# Altium PCB DI543.PcbDoc (part 8 of 8) (continued)
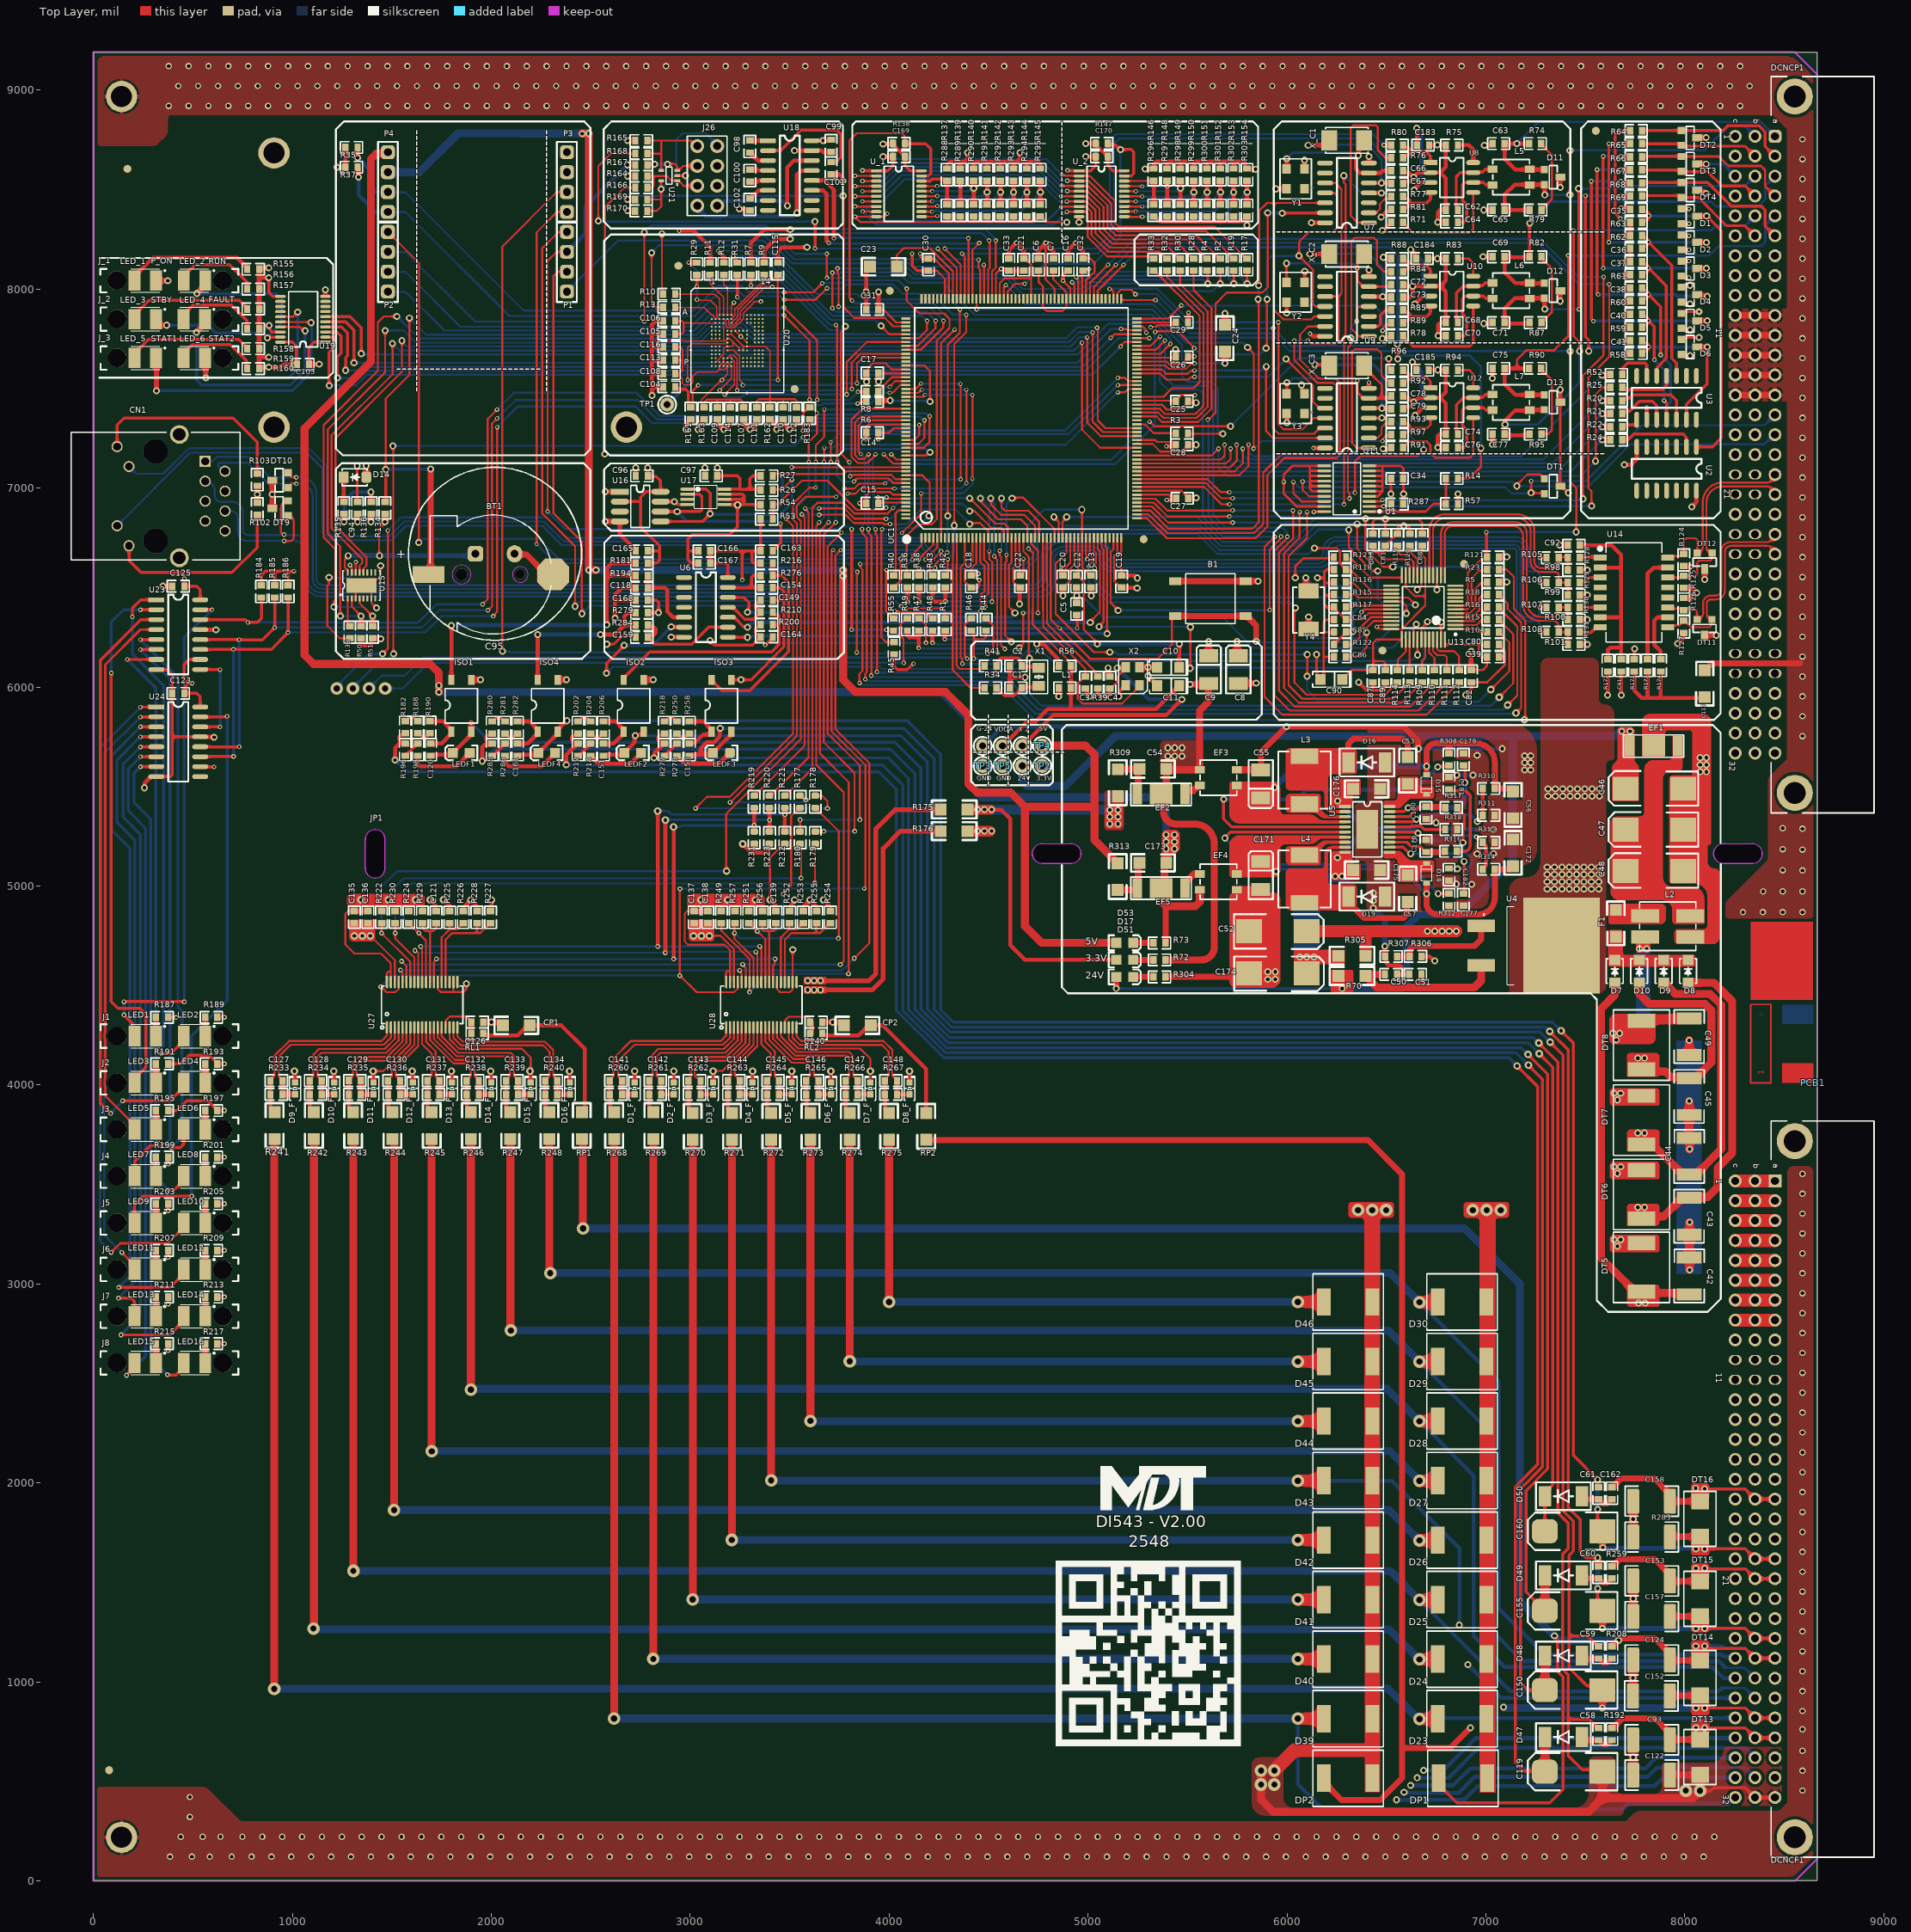
[diagram p0: Top Layer view]
## Polygon pours and split planes (outlines as drawn) (continued)
GND_EARTH on Top Layer "VCC-No Net" (solid, pour order 54): 35.97,8721.03 300.41,8721.03 ccw(c300.41,8758.71) 327.06,8732.07 360.23,8765.24 ccw(c324.57,8800.9) 375,8800.9 375,8860 cw(c390.01,8860) 390.01,8875.01 8436.15,8875.01 cw(c8436.16,8856.09) 8449.54,8869.46 8509.88,8809.12 cw(c8497.53,8796.77) 8515,8796.76 8515,7914 cw(c8502,7914) 8502,7901 8247.44,7901 ccw(c8247.43,7883.07) 8234.74,7895.74 8224.67,7885.67 ccw(c8235.94,7874.4) 8220,7874.39 8220,7465.32 ccw(c8242.49,7465.32) 8226.59,7449.41 8232.88,7443.12 ccw(c8250.07,7460.31) 8250.07,7436 8646,7436 8646,9037.03 ccw(c8566.41,9037.03) 8622.69,9093.31 8575.09,9140.91 ccw(c8500.04,9065.86) 8500.03,9172 56,9172 ccw(c56,9137) 21,9137 21,8736 ccw(c35.97,8736)
RET24F-1 on Top Layer "NONET_L-01_P-001" (solid, remove dead copper, pour order 53): 7898.99,591.99 8130,592 ccw(c8130,656) 8194,656 cw(c8210,656) 8210,672 8476,672 cw(c8476,659) 8489,659 8489,429 cw(c8436.61,429) 8436.61,376.61 7719.61,376.61 ccw(c7719.6,351.01) 7694,351 cw(c7670,351) 7670,327 5890,327 cw(c5890,394) 5823,394 5823,580 cw(c5864,580) 5864,621 5981,621 5981,422 ccw(c6037,422) 6037,366 7440,366 ccw(c7440,445) 7519,445 7519,593 cw(c7552,593) 7552,626 7621,626 cw(c7621.01,593.01) 7654,593 7654,474 ccw(c7693,474) 7693,435 7843,435 ccw(c7843,477) 7885,477 7885,578 cw(c7898.99,578)
GND_EARTH on Top Layer "VCC-No Net" (solid, remove dead copper, pour order 15): 20,36 20,460 cw(c32,460) 32,472 545.1,472 cw(c545.1,416.71) 584.21,455.8 732.77,307.24 ccw(c750.22,324.69) 750.22,300.01 7700,300.01 ccw(c7700,312.08) 7708.54,303.54 7743.33,338.34 cw(c7771.48,310.19) 7771.49,350 8465.17,350 ccw(c8465.17,368.9) 8478.54,355.54 8511.88,388.88 ccw(c8499.52,401.23) 8517,401.24 8517,3563 cw(c8545.39,3563) 8545.39,3591.39 8619.61,3591.39 cw(c8619.61,3565) 8646,3565 8646,152.56 cw(c8564.99,152.55) 8622.27,95.27 8565.02,38.02 cw(c8521.52,81.51) 8521.51,20 36,20 cw(c36,36)
GND_EARTH on Top Layer "BottomLayer-earth" (solid, remove dead copper, pour order 19): 8646,4855.96 8646,7901 8240,7901 8220,7881 8220,7456 8240,7436 8515,7436 8515,5650.07 cw(c8488.27,5650.07) 8507.17,5631.17 8425.95,5549.95 ccw(c8445.14,5530.76) 8418,5530.76 8418,5139.24 cw(c8400.52,5139.24) 8412.88,5126.88 8214.66,4928.66 ccw(c8237.97,4905.34) 8205,4905.34 8205,4852.02 ccw(c8219.97,4852.02) 8219.95,4837.05 8418,4836.76 8515,4837.07 8626.8,4836.8 ccw(c8626.84,4855.96)
GND on Mid-Layer 1 "GND_L02_P032" (solid, remove dead copper, pour order 32): 133.63,8671.63 283.4,8671.64 ccw(c283.4,8768.78) 352.09,8700.09 457.99,8805.99 cw(c537.67,8726.31) 537.68,8839 8100,8839 cw(c8100,8776) 8163,8776 8163,4627 cw(c7992,4627) 7992,4456 4499.04,4456 cw(c4499.04,4576.62) 4378.42,4576.62 4378.42,5808.09 ccw(c4287.94,5808.1) 4351.91,5872.09 4289.97,5934.03 ccw(c4239.08,5883.47) 4239.07,5955.2 66,5955.2 66,8604 cw(c133.63,8604)
GND on Mid-Layer 1 "NONET_L-01_P-001" (solid, pour order 37): 65.94,5958.66 65.94,5438.98 65.94,4723.42 65.94,724.05 ccw(c285,724.05) 285,505 563,505 ccw(c563,682.16) 740.16,682.16 740.16,5958.66
GND-F on Mid-Layer 1 "NONET_L-01_P-001" (solid, pour order 41): 1223,4627.35 1223,5300.54 cw(c1347.22,5300.54) 1259.38,5388.38 1290.74,5419.74 cw(c1371.03,5339.44) 1371.04,5453 3207.42,5453 3844,5453 cw(c3844,5379) 3917,5366.88 3917,4535 cw(c3841,4535) 3841,4459 1380.46,4459 cw(c1380.45,4575.98) 1297.74,4493.26 1264.97,4526.03 cw(c1366.3,4627.35)
RET24F-2 on Mid-Layer 1 "NONET_L-01_P-001" (solid, pour order 46): 6000,4355 7387.96,4355 cw(c7387.96,4291.93) 7451.03,4291.99 7452.23,3162.27 cw(c7388.03,3162.2) 7388.03,3098 6051,3098 ccw(c6051,3029) 5982,3029 5982,474 cw(c5851,474) 5851,343 947,343 cw(c947,443) 847,443 847,4236 cw(c966,4236) 966,4355
GND_EARTH on Mid-Layer 1 "VCC-No Net" (solid, pour order 57): 20,8721.03 316.02,8721.03 375,8780.01 375,8875.01 8443.99,8875.01 8515,8804 8515,7901 8240,7901 8220,7881 8220,7456 8240,7436 8515,7436 8515,5639 8418,5542 8418,5137.24 cw(c8404.32,5137.24) 8413.99,5127.55 8214.35,4927.92 ccw(c8236.92,4905.35) 8205,4905.34 8205,4853 ccw(c8221,4853) 8221,4837 8627,4837 ccw(c8627,4856) 8646,4856 8646,9070 8544,9172 20,9172
GND_EARTH on Mid-Layer 1 "BottomLayer-No Net" (solid, remove dead copper, pour order 55): 8548,15 15,15 15,472 568,472 740,300 7703,300 7753,350 8473,350 8517,394 8517,3591.42 8651,3591.42 8651,118
RET24F-2 on Mid-Layer 1 "NONET_L-01_P-001" (solid, pour order 49): 847,4236 847,5750 cw(c947,5750) 947,5850 3357,5850 cw(c3357,5818) 3389,5818 cw(c3352.79,5818) 3378.39,5792.39 3173.21,5587.21 cw(c3122,5638.42) 3122,5566 1302.11,5566 ccw(c1302.11,5490.89) 1249,5544 1127.8,5422.8 ccw(c1175.6,5375) 1108,5375 1108,4562.42 ccw(c1208,4562.42) 1137.29,4491.71 1259.79,4369.21 ccw(c1311,4420.43) 1311,4348 1311,4251 1296,4236

## Keep-outs
Keep-Out Layer:
  lines w10: 0,0 8555,0 8666.42,111.42 8666.42,9078.58 8552.99,9192.01 0,9192.01 0,0

## Other copper
Top Layer:
  region net 24V1: 7851.62,4153.01 7713.84,4153.01 7713.84,4042.49 7851.62,4042.49
  region net +3.3V: 4394.57,5408 4510,5408 cw(c4510,5384) 4534,5384 cw(c4510,5384) 4510,5360 4394.57,5360
  region net GND: 4394.57,5301 4509,5301 cw(c4509,5276) 4534,5276 cw(c4508,5276) 4508,5250 4394.57,5250
  pour cut-out: 6321.41,5418.95 6321.41,5147.81 6321.6,5148 6327.41,5148 ccw(c6327.41,5163) 6342.41,5163 6342.41,5403.02 ccw(c6326.47,5403.02) 6326.43,5418.96
  region net +20V: 6034.79,4606.87 6034.79,4664.79 cw(c6049,4664.79) 6049,4679 6290,4679 ccw(c18860.44,4607.3) 6289.8,4616.8 cw(c6279.89,4616.8) 6279.89,4606.89
  region net RET24: 5712,4947 cw(c5731,4947) 5731,4966 5937,4966 cw(c5937,4937) 5966,4937 5966,4530 cw(c5925,4530) 5925,4489 5742,4489 cw(c5742,4519) 5712,4519
  region net +24V: 6334,4470 6334,4567 ccw(c6323,4567) 6323,4578 6228,4578 ccw(c6228,4571) 6221,4571 6221,4475 ccw(c6232,4475) 6232,4464 6328,4464 ccw(c6328,4470)
  pour cut-out: 6487,5418.95 6487,5147.81 6486.81,5148 6481,5148 cw(c6481,5163) 6466,5163 6466,5403.02 cw(c6481.94,5403.02) 6481.98,5418.96
  region net NetC171_1: 6296.46,5238.64 6183.63,5238.64 ccw(c6183.63,5195.32) 6153,5225.95 cw(c6114.37,5264.58) 6114.37,5209.95 5992,5209.95 ccw(c5992,5183.95) 5966,5183.95 5966,5079.95 cw(c5930,5079.95) 5930,5043.95 5725,5043.95 cw(c5725,5056.95) 5712,5056.95 5712,5206.95 cw(c5758.65,5206.95) 5758.65,5253.59 6296.47,5253.59
  region net NetC55_1: 6296.46,5330.31 6183.63,5330.31 cw(c6183.63,5373.63) 6153,5343 ccw(c6114.37,5304.37) 6114.37,5359 5992,5359 cw(c5992,5385) 5966,5385 5966,5489 ccw(c5930,5489) 5930,5525 5725,5525 ccw(c5725,5512) 5712,5512 5712,5362 ccw(c5758.65,5362) 5758.65,5315.35 6296.47,5315.35
  region net NetL3_2: 6312,5356 6217,5356 cw(c6217,5403) 6170,5403 6170,5446 ccw(c6152,5446) 6152,5464 6019,5464 ccw(c6019,5440) 5995,5440 5995,5384 ccw(c6010,5384) 6010,5369 6127.79,5369 cw(c6127.79,5317.79) 6164,5354 6168.4,5349.6 ccw(c6189.35,5370.55) 6189.35,5340.92 6312,5340.92
  region net NetL4_2: 6312,5212.95 6217,5212.95 ccw(c6217,5165.95) 6170,5165.95 6170,5122.95 cw(c6152,5122.95) 6152,5104.95 6019,5104.95 cw(c6019,5128.95) 5995,5128.95 5995,5184.95 cw(c6010,5184.95) 6010,5199.95 6127.79,5199.95 ccw(c6127.79,5251.16) 6164,5214.95 6168.4,5219.35 cw(c6189.35,5198.4) 6189.35,5228.02 6312,5228.02
  region net NetC53_1: 6313.3,5366.58 6225.44,5366.58 cw(c6231.9,5410) 6188,5410 6188,5463.95 ccw(c6170,5463.95) 6170,5481.95 6014,5481.95 cw(c6014,5500.95) 5995,5500.95 5995,5673 cw(c6015,5673) 6015,5693 6330,5693 cw(c6330,5672) 6351,5672 6351,5577 cw(c6336.01,5576.99) 6336,5562 6227,5562 ccw(c6227,5542) 6207,5542 6207,5409.8 ccw(c6235.09,5409.79) 6235.09,5381.7 6313.3,5381.7
  region net NetC57_2: 6313.3,5202.37 6225.44,5202.37 ccw(c6231.9,5158.95) 6188,5158.95 6188,5105 cw(c6170,5105) 6170,5087 6014,5087 ccw(c6014,5068) 5995,5068 5995,4906 ccw(c6024,4906) 6024,4877 6319,4877 ccw(c6319,4909) 6351,4909 6351,4991.95 ccw(c6336.01,4991.95) 6336,5006.95 6227,5006.95 cw(c6227,5026.95) 6207,5026.95 6207,5159.15 cw(c6235.09,5159.15) 6235.09,5187.24 6313.3,5187.24
  region net +20V: 6321,5391.95 ccw(c6321,5400.95) 6330,5400.95 6330,5450.95 cw(c6336,5450.95) 6336,5456.95 6364,5456.95 ccw(c6364,5463.95) 6371,5463.95 6371,5529.95 ccw(c6362,5529.95) 6362,5538.95 6234,5538.95 ccw(c6234,5529.95) 6225,5529.95 6225,5403.95 ccw(c6237,5403.95) 6237,5391.95
  region net +20V: 6321,5177 cw(c6321,5168) 6330,5168 6330,5118 ccw(c6336,5118) 6336,5112 6364,5112 cw(c6364,5105) 6371,5105 6371,5039 cw(c6362,5039) 6362,5030 6234,5030 cw(c6234,5039) 6225,5039 6225,5165 cw(c6237,5165) 6237,5177
  region net NetC53_2: 6559.1,5391.95 ccw(c6559.1,5415.85) 6576,5398.95 6604.98,5427.93 cw(c6634,5398.91) 6634,5439.95 6727,5439.95 ccw(c6727,5453.95) 6741,5453.95 6741,5491 ccw(c6732.05,5491) 6732.05,5499.95 6676,5499.95 cw(c6676,5509.95) 6666,5509.95 6666,5535.95 ccw(c6653,5535.95) 6653,5548.95 6570,5548.95 ccw(c6570,5534.95) 6556,5534.95 6556,5445.95 cw(c6540,5445.95) 6540,5429.95 6498,5429.95 ccw(c6498,5418.95) 6487,5418.95 6487,5397.95 ccw(c6493,5397.95) 6493,5391.95
  region net NetC57_1: 6559.1,5177 cw(c6559.1,5153.1) 6576,5170 6604.98,5141.02 ccw(c6634,5170.04) 6634,5129 6727,5129 cw(c6727,5115) 6741,5115 6741,5077 cw(c6733,5077) 6733,5069 6676,5069 ccw(c6676,5059) 6666,5059 6666,5033 cw(c6653,5033) 6653,5020 6570,5020 cw(c6570,5034) 6556,5034 6556,5123 ccw(c6540,5123) 6540,5139 6498,5139 cw(c6498,5150) 6487,5150 6487,5171 cw(c6493,5171) 6493,5177
  region net RET24F-1: 6467.89,445.81 6392,445.97 6389,3314.42 ccw(c6371,3314.42) 6371,3332.42 6326,3332.42 cw(c6326,3348.42) 6310,3348.42 6310,3395.42 cw(c6326,3395.42) 6326,3411.42 6522,3411.42 cw(c6522,3396.42) 6537,3396.42 6537,3350.42 cw(c6519,3350.42) 6519,3332.42 6484,3332.42 ccw(c6484,3316.42) 6468,3316.42 6468,445.92
  region net FPW4: 8122.26,1927.29 8122.26,1983.29 ccw(c8108.26,1983.29) 8108.26,1997.29 8045.26,1997.29 ccw(c8045.26,1985.29) 8033.26,1985.29 8033.26,1927.29
  region net RET24F-4: 8033,1706 8033,1650 ccw(c8047,1650) 8047,1636 8110,1636 ccw(c8110,1648) 8122,1648 8122,1706
  region net FPW3: 8122.26,1525.29 8122.26,1581.29 ccw(c8108.26,1581.29) 8108.26,1595.29 8045.26,1595.29 ccw(c8045.26,1583.29) 8033.26,1583.29 8033.26,1525.29
  region net FPW1: 8122.26,740.48 8122.26,796.48 ccw(c8108.26,796.48) 8108.26,810.48 8045.26,810.48 ccw(c8045.26,798.48) 8033.26,798.48 8033.26,740.48
  region net RET24F-2: 8033.26,901.25 8033.26,845.25 ccw(c8047.26,845.25) 8047.26,831.25 8110.26,831.25 ccw(c8110.26,843.25) 8122.26,843.25 8122.26,901.25
  region net FPW2: 8122.26,1138.29 8122.26,1194.29 ccw(c8108.26,1194.29) 8108.26,1208.29 8045.26,1208.29 ccw(c8045.26,1196.29) 8033.26,1196.29 8033.26,1138.29
  region net RET24F-3: 8033,1319 8033,1263 ccw(c8047,1263) 8047,1249 8110,1249 ccw(c8110,1261) 8122,1261 8122,1319
  region net +3.3V-F: 1275.52,4943.14 cw(c1293.52,4943.14) 1293.52,4961.14 1643.34,4961.13 cw(c1643.34,4940.14) 1664.34,4940.14 1664.34,4900.14 1291.52,4900.14 cw(c1291.52,4916.14) 1275.52,4916.14
  region net +3.3V-F: 2984.18,4943 cw(c3002.18,4943) 3002.18,4961 3352,4961 cw(c3352,4940) 3373,4940 3373,4900 3000.18,4900 cw(c3000.18,4916) 2984.18,4916
  region net GND-F: 2992.18,4821 cw(c3002.18,4821) 3002.18,4831 3115.18,4831 cw(c3115.18,4825) 3121.18,4825 3121.18,4740 cw(c3103.18,4740) 3103.18,4722 3012.18,4722 cw(c3012.18,4742) 2992.18,4742
  region net GND-F: 1287,4821 cw(c1297,4821) 1297,4831 1410,4831 cw(c1410,4825) 1416,4825 1416,4740 cw(c1398,4740) 1398,4722 1307,4722 cw(c1307,4742) 1287,4742
  region net RET24: 8175.26,4744.26 8175.26,5062.79 ccw(c8151.06,5062.79) 8151.06,5087 8150.86,5087 cw(c8150.86,5123.7) 8114.16,5123.9 ccw(c5480.24,5137.87) 8113.5,5198.33 cw(c8121.15,5198.5) 8121.15,5206.15 ccw(c8121.15,5215.91) 8130.91,5215.91 8130.91,5556 7941,5556 ccw(c7940.98,5536.02) 7921,5536 7921,5028 ccw(c7936.2,5027.99) 7936.2,5012.8 8047.24,5012.8 cw(c8047.25,4945.88) 8114.17,4945.87 8114.17,4805.17 cw(c8091.5,4805.15) 8091.48,4782.48 7963.48,4782.48 ccw(c7963.46,4768.02) 7949,4768 7949,4726 ccw(c7966.33,4725.99) 7966.34,4708.66 8139.66,4708.66 ccw(c8139.66,4744.26)
  region net RET24F-2: 7048.01,442.67 6968.87,443.13 6969.01,3314.42 ccw(c6951.01,3314.42) 6951.01,3332.42 6906.01,3332.42 cw(c6906.01,3348.42) 6890.01,3348.42 6890.01,3395.42 cw(c6906.01,3395.42) 6906.01,3411.42 7102.01,3411.42 cw(c7102.01,3396.42) 7117.01,3396.42 7117.01,3350.42 cw(c7099.01,3350.42) 7099.01,3332.42 7064.01,3332.42 ccw(c7064.01,3316.42) 7048.01,3316.42
  region net 24G1: 7624,3229.58 cw(c7642,3229.58) 7642,3247.58 7856,3247.58 cw(c7856,3230.58) 7873,3230.58 7873,3172.58 cw(c7860,3172.58) 7860,3159.58 7641,3159.58 cw(c7641,3176.58) 7624,3176.58
  region net 24G1: 7624,3596.4 cw(c7642,3596.4) 7642,3614.4 7856,3614.4 cw(c7856,3597.4) 7873,3597.4 7873,3539.4 cw(c7860,3539.4) 7860,3526.4 7641,3526.4 cw(c7641,3543.4) 7624,3543.4
  region net 24G1: 7624,3966 cw(c7642,3966) 7642,3984 7856,3984 cw(c7856,3967) 7873,3967 7873,3909 cw(c7860,3909) 7860,3896 7641,3896 cw(c7641,3913) 7624,3913
  region net 24V4: 7710.33,2993.1 cw(c7714.17,2993.1) 7714.17,2996.93 7854.33,2996.93 cw(c7854.33,2977.93) 7873.33,2977.93 7873.33,2897.93 cw(c7861.82,2897.93) 7861.82,2886.42 7726.58,2886.42 cw(c7726.58,2902.66) 7710.33,2902.67
  region net 24V3: 7710,3386 cw(c7727.01,3386) 7727.01,3403.01 7854,3403.01 cw(c7854,3384.01) 7873,3384.01 7873,3311 cw(c7854.5,3311) 7854.5,3292.5 7715.5,3292.5 cw(c7715.5,3298) 7710,3298
  region net 24V2: 7710,3756 cw(c7730.61,3756) 7730.61,3776.61 7854,3776.61 cw(c7854,3757.61) 7873,3757.61 7873,3677.61 cw(c7861.49,3677.61) 7861.49,3666.1 7714.75,3666.1 cw(c7714.75,3670.86) 7710,3670.86
  region net 24V1: 7726.33,4161 7853,4161 cw(c7853,4141) 7873,4141 7873,4054 cw(c7861.49,4054) 7861.49,4042.49 7713.84,4042.49 cw(c7713.84,4046.33) 7710,4046.33 7710,4144.67 cw(c7726.33,4144.67)
  region net 24G1: 7621,4322 cw(c7656,4322) 7656,4357 7829,4357 cw(c7829,4334) 7852,4334 7852,4231 cw(c7828,4231) 7828,4207 7647,4207 cw(c7647,4233) 7621,4233
  region net 24G1: 7768,4666 cw(c7768,4679) 7755,4679 7755,4756 cw(c7775,4756) 7775,4776 7814,4776 cw(c7814,4762) 7828,4762 7828,4678 cw(c7816,4678) 7816,4666
  region net NetC47_1: 8098.42,4816.42 8098.43,4936.68 ccw(c8038.25,4936.69) 8080.8,4979.24 ccw(c8040.2,4938.66) 8040.19,4996.06 7937.4,4996.06 cw(c7937.39,5042.14) 7904.81,5009.56 cw(c7941.13,5045.88) 7889.76,5045.88 7889.76,5219.49 7875.98,5233.27 7627.95,5233.27 7627.95,4971.6 ccw(c7671.07,4971.6) 7640.58,4941.11 ccw(c7669.5,4970.03) 7669.5,4929.13 7888.61,4929.13 cw(c7888.61,4881.19) 7922.51,4915.09 cw(c7885.12,4877.71) 7937.99,4877.71 7937.99,4827.01 ccw(c7957,4827.01) 7957,4808 8090,4808 ccw(c8090,4816.42)
  region net NetF1_2: 7630,4809 cw(c7630,4822) 7617,4822 7617,4900 cw(c7628,4900) 7628,4911 7879,4911 cw(c7879,4885) 7905,4885 7905,4836 cw(c7878,4836) 7878,4809
  region net NetD7_K: 7616,4606 7616,4768 cw(c7627,4768) 7627,4779 7676,4779 cw(c7676,4766.02) 7688.98,4766.02 7688.98,4668.02 ccw(c7703.46,4668.02) 7703.46,4653.54 8044.46,4653.54 cw(c8044.46,4646) 8052,4646 8052,4604 cw(c8044,4604) 8044,4596 7626,4596 cw(c7626,4606)
  region net +24V: 7763,5426 7643,5426 cw(c7643,5434.16) 7634.84,5434.16 7634.84,5594.38 cw(c7661.25,5594.38) 7642.58,5613.05 7652.38,5622.86 ccw(c7628.2,5647.04) 7662.4,5647.04 7662.4,5780.4 cw(c7680.43,5780.4) 7680.43,5798.43 7727.57,5798.43 cw(c7727.57,5778.55) 7747.46,5778.54 7747.46,5636.61 ccw(c7774.18,5636.61) 7755.28,5617.72 7762.17,5610.83 cw(c7747.73,5596.38) 7768.16,5596.38 7768.16,5431.16 cw(c7763,5431.16)
  region net NetC47_1: 7938.98,5753.97 7938.98,5657.23 cw(c7913.47,5657.22) 7931.5,5639.18 cw(c7913.91,5656.76) 7913.91,5631.89 7839.8,5631.89 ccw(c7839.8,5591.06) 7810.93,5619.93 ccw(c7843.96,5586.89) 7797.24,5586.89 7797.24,5373.56 cw(c7772.34,5373.56) 7789.95,5355.95 cw(c7773.17,5372.72) 7773.17,5349 7656.18,5349 ccw(c7656.18,5320.27) 7635.86,5340.58 ccw(c7654.94,5321.5) 7627.95,5321.5 7627.95,5203.74 7889.76,5203.74 7889.76,5540.95 cw(c7921.6,5540.95) 7899.09,5563.46 cw(c7916.97,5545.58) 7916.97,5570.87 7959.31,5570.87 ccw(c7959.31,5600.19) 7980.05,5579.46 ccw(c7960.4,5599.11) 7988.19,5599.11 7988.19,5753.81 ccw(c7982,5753.81) 7982,5760 7945,5760 ccw(c7945,5753.98)
  region net RET24: 7891.11,5648 7794,5648 cw(c7794,5655.58) 7786.42,5655.58 7786.42,5825.42 cw(c7827.14,5825.42) 7827.14,5866.14 8092.86,5866.14 cw(c8092.86,5828.1) 8130.91,5828.09 8130.91,5510.83 8038.39,5510.83 8038.39,5766.61 ccw(c8020.55,5766.61) 8020.55,5784.45 7919.45,5784.45 ccw(c7919.45,5765.59) 7900.59,5765.59 7900.59,5657.48 cw(c7891.11,5657.48)
  region net GND-F: 3572,4496 3680,4496 3688,4488 3688,4468 3680,4460 3572,4460
  region net +3.3V-F: 3572,4542.31 3680,4542.31 3688,4534.31 3688,4514.31 3680,4506.31 3572,4506.31
Mid-Layer 1:
  rectangle net GND: 4413,5241 4549,5315
  rectangle net GND-F: 3548,4459 3699,4496
  pour cut-out: 8120.61,5174.5 cw(c8190,5170.5) 8190,5240 8339,5240 cw(c8339,5164.76) 8373.8,5098.05 cw(c8336.88,5168.81) 8336.88,5089 8193,5089 cw(c8193,5162) 8120.13,5166.31
  pour cut-out: 4692,5162 cw(c4770,5162) 4770,5240 4911,5240 cw(c4911,5162) 4989,5162 cw(c4916,5162) 4916,5089 4765,5089 cw(c4765,5162)
  pour cut-out: 1414,5311.49 cw(c1414,5233.49) 1492,5233.49 1492,5092.49 cw(c1414,5092.49) 1414,5014.49 cw(c1414,5087.49) 1341,5087.49 1341,5238.49 cw(c1414,5238.49)
  region net RET24F-2: 6869.87,3325.5 6869.87,3395 cw(c6895.37,3395) 6895.37,3420.5 7112.37,3420.5 cw(c7112.37,3396.5) 7136.37,3396.5 7136.37,3325.5
  region net 24V3: 8154,3154 8265,3154 cw(c8265,3127) 8292,3127 8292,3107 cw(c8264,3107) 8264,3079 8234,3079 ccw(c8234,3048) 8203,3048 8203,2997 cw(c8171,2997) 8171,2965 7764,2965 cw(c7764,3015) 7714,3015 7714,3380 cw(c7737,3380) 7737,3403 7829,3403 cw(c7829,3380) 7852,3380 7852,3044 ccw(c7880,3044) 7880,3016 8091,3016 ccw(c8091,3041) 8116,3041 8116,3116 cw(c8154,3116)
  region net 24V1: 8270.66,3569.34 8279.22,3560.78 cw(c8243.54,3525.1) 8294,3525.1 8294,3513 cw(c8266,3513) 8266,3485 8194,3485 cw(c8194,3545) 8134,3545 8134,3940 ccw(c8092,3940) 8092,3982 7727,3982 7714,3995 7714,4126 cw(c7741,4126) 7741,4153 7837.69,4153 cw(c7837.69,4094.32) 7879.19,4135.81 7931.51,4083.49 ccw(c7961.66,4113.63) 7961.66,4071 8195,4071 cw(c8195,4014) 8252,4014 8252,3614.4 ccw(c8315.73,3614.4)
  region net 24V2: 8292,3326.93 8292,3309 cw(c8268,3309) 8268,3285 8198.8,3285 cw(c8198.8,3376.25) 8134.27,3311.73 7967.72,3478.28 ccw(c7915.29,3425.86) 7915.28,3500 7750,3500 cw(c7750,3536) 7714,3536 7714,3742 cw(c7748,3742) 7748,3776 7815.17,3776 cw(c7815.18,3754.7) 7830.24,3769.76 8230.62,3369.38 ccw(c8262.93,3401.7) 8262.93,3356 cw(c8262.93,3326.93)
  region net 24V4: 8293,2921 8293,2913 cw(c8265,2913) 8265,2885 7744,2885 cw(c7744,2915) 7714,2915 7714,2920 cw(c7745,2920) 7745,2951 8263,2951 cw(c8263,2921)
Mid-Layer 2:
  rectangle net +3.3V: 4413,5349 4549,5423
  rectangle net +3.3V-F: 3548,4507 3699,4561
  pour cut-out: 8414.05,5167 cw(c8336.05,5167) 8336.05,5089 8195.05,5089 cw(c8195.05,5167) 8117.05,5167 cw(c8190.05,5167) 8190.05,5240 8341.05,5240 cw(c8341.05,5167)
  pour cut-out: 4692,5162 cw(c4770,5162) 4770,5240 4911,5240 cw(c4911,5162) 4989,5162 cw(c4916,5162) 4916,5089 4765,5089 cw(c4765,5162)
  pour cut-out: 1414,5311.49 cw(c1414,5233.49) 1492,5233.49 1492,5092.49 cw(c1414,5092.49) 1414,5014.49 cw(c1414,5087.49) 1341,5087.49 1341,5238.49 cw(c1414,5238.49)
  region net RET24F-1: 6277.5,3325.5 6277.5,3387.5 cw(c6320.5,3387.5) 6320.5,3430.5 6534.5,3430.5 cw(c6534.5,3396.5) 6568.5,3396.5 6568.5,3325.5
  region net 24G1: 7588,4288 7680,4288 cw(c7680,4264) 7704,4264 7704,2924.66 ccw(c7732.14,2924.66) 7712.24,2904.76 7738.05,2878.95 ccw(c7757.24,2898.14) 7757.24,2871 8186,2871 8197,2860 8197,2770 7722.14,2770 cw(c7722.14,2845.18) 7668.98,2792.02 7579.49,2881.51 cw(c7626.53,2928.56) 7560,2928.56 7560,4260 cw(c7588,4260)
  region net 24G1: 8128,3451 8115,3438 8115,2802 8147,2770 8475,2770 8487,2782 8487,2842 8473,2856 8212,2856 8198,2870 8198,2970 8214,2986 8480,2986 8487,2993 8487,3042 8478,3051 8212,3051 8198,3065 8198,3165 8219,3186 8482,3186 8489,3193 8489,3244 8482,3251 8215,3251 8198,3268 8198,3371 8213,3386 8481,3386 8489,3394 8489,3443 8481,3451
Bottom Layer:
  rectangle net GND_EARTH: 7958,3048 8085,4225
  region net +20V: 6317,5056 6317,5031 cw(c6305,5031) 6305,5019 6180.83,5019 ccw(c6180.83,5007.35) 6172.59,5015.59 6170.12,5013.12 ccw(c6182.47,5000.76) 6165,5000.76 6165,4644 cw(c6145,4644) 6145,4624 6052,4624 cw(c6052,4643) 6033,4643 6033,5032.76 cw(c6052.9,5032.76) 6038.83,5046.83 6053.88,5061.88 cw(c6066.24,5049.52) 6066.24,5067 6306,5067 cw(c6306,5056)
  region net 24G1: 7773.54,4716.54 7805.46,4716.54 cw(c7805.46,4694) 7828,4694 7828,4258 cw(c7777,4258) 7777,4207 7635,4207 cw(c7635,4221) 7621,4221 7621,4267 cw(c7631,4267) 7631,4277 7723,4277 ccw(c7723,4309) 7755,4309 7755,4698 cw(c7773.54,4698)

## Silkscreen, mask and mechanical layers (free items; w line width, h text height)
Top Overlay:
  drawing of 160 lines, arcs and shapes, not listed
  text "----------------------" at 4826.85,8844.63 h99 r270
  text "-----------------------------------------------" at 1585.03,8802.48 h100 r270
  text "-----------------------------------------------" at 2236.03,8802.48 h100 r270
  text "-----------------------------------------------------------" at 5942,8245.09 h100
  text "P_ON" at 291,8116.3 h50
  text "RUN" at 579,8115.46 h50
  text "FAULT" at 579,7922 h50
  text "STBY" at 291,7921 h50
  text "STAT2" at 579,7727 h50
  text "STAT1" at 291,7726 h50
  text "-----------------------------------------------------------" at 5942,7688.17 h100
  text "--------------------------" at 2252.94,7640.39 h100 r180
  text "-----------------------------------------------------------" at 5942,7129.12 h100
  text "------------------" at 4418.31,5635.28 h90
  text "--------------" at 4537.95,5502.95 h90 r90
  text "--------------" at 4638.34,5502.95 h90 r90
  text "--------------" at 4738.74,5502.95 h90 r90
  text "5V" at 4987,4693 h60
  text "3.3V" at 4987,4607.15 h60
  text "24V" at 4987,4521.68 h60
  text "DI543 - V2.00" at 5039.5,1757 h100
  text "2548" at 5204.5,1657.5 h100
Bottom Overlay:
  drawing of 26 lines, arcs and shapes, not listed
  text "DI543 - V2.00" at 5584.5,1756 h100
  text "2548" at 5419.5,1656.5 h100
Top Solder:
  region: 3506,5953.35 1075.79,5953.35 1075.79,5853.35 3506,5853.35
  region: 743.28,551.25 743.28,302.24 843.28,302.24 843.28,551.25
  rectangle: 8330.94,4428 8646,4821.7
  rectangle: 8153,2656 8515,2756
  region: 25.59,25.59 831.02,25.46 1904.85,25.59 1940.7,61.44 1940.7,113.84 1917.43,137.11 412.61,137.11 311.56,238.16 311.56,408.14 247.69,472 25.53,472
  region: 6346.29,9164.04 6341.19,9158.94 6341.19,9105.1 6377.87,9068.42 8322.69,9068.42 8368.78,9114.51 8368.78,9164 8368.78,9164.01
  region: 6368.51,25.49 6368.49,230.5 6402.1,264.11 8369.96,264.11 8396.13,237.94 8396.13,30.52 8391.1,25.49
  region: 25.45,9166.54 1899.59,9166.54 1940.57,9125.55 1940.53,9125.51 1940.53,9078.25 1917.29,9055.02 412.47,9055.02 311.42,8953.97 311.42,8783.99 248.47,8721.04 25.39,8721.04
  lines w25: 8500.98,6203.74 8180.12,6203.74 8180.12,6146.65 8046.26,6146.65 8046.26,6033.46 8501.97,6033.46 ; 13,486 13,8706 322,8706 389,8773 389,8861.22 8437.78,8861.22 8502,8797 8502,7915 8235,7915 8207,7887 8207,7447 8233,7421 8501,7421 8501,5646 8403,5548 8403,5137 8273,5007 8273,3633 8341,3565 8503,3565 8503,399 8468,364 7749,364 7699,314 746,314 574,486 13,486 ; 7693.94,851.38 7785.94,851.38 7785.94,1188.98 7693.94,1188.98 7693.94,851.38 ; 7694.9,451.77 7786.9,451.77 7786.9,787.4 7694.9,787.4 7694.9,451.77 ; 7694.9,1649.61 7786.9,1649.61 7786.9,1987.2 7694.9,1987.2 7694.9,1649.61 ; 7695.1,1249.02 7787.1,1249.02 7787.1,1586.61 7695.1,1586.61 7695.1,1249.02 ; 7944,3044 7944,3323 7969,3348 8076,3348 8100,3324 8100,3044 8086,3030 7983,3030 7958,3030 7944,3044 ; 7944,3673 7944,3901 7944,3937 7969,3962 8086,3962 8116,3932 8116,3671 8083,3638 7979,3638 7944,3673 ; 7944,4108 7944,4233 7974,4263 8073,4263 8105,4231 8105,4104 8093,4092 7960,4092 7944,4108
  lines w100: 793.31,552.17 793.31,5815.31 881.33,5903.33 1119.35,5903.33 ; 3456,5888 3456,5786 3182.25,5512.25 2502.75,5512.25 1299.25,5512.25 1167,5380 1167,4543 1304.5,4405.5 4407.5,4405.5 4407.57,4405.43 ; 4338,4405.43 4338.49,4405.92 7505,4405.92 7505,2876 7675,2706 8197,2706
Bottom Solder:
  rectangle: 916,5853.35 3398,5953.35
  region: 743.3,554.16 743.3,301.6 843.3,301.6 843.3,554.16
  rectangle: 8330.94,4428 8646,4821.7
  rectangle: 8153,2656 8515,2756
  region: 6368.51,20.54 6368.51,230.48 6368.49,230.5 6402.09,264.1 8370.04,264.1 8396.05,238.09 8396.05,30.45 8391.09,25.49
  region: 6377.88,9068.42 6377.87,9068.42 6341.22,9105.07 6341.22,9158.95 6346.28,9164.01 6346.29,9164.01 8368.76,9164.01 8368.76,9114.51 8368.77,9114.51 8322.67,9068.41
  region: 25.59,9166.36 25.59,8720.47 247.05,8720.47 312.12,8785.55 312.12,8955.82 411.42,9055.12 1917.32,9055.12 1940.73,9078.53 1940.73,9125.21 1899.61,9166.34
  region: 25.48,25.47 25.48,472.04 25.5,472.06 242.95,472.06 312.01,403 312.01,232.42 412.43,132 1917.28,132 1940.62,108.66 1940.62,61.59 1904.51,25.48
  lines w25: 7739.68,989.86 cw(c7739.69,1019.86) 7740.07,989.87 ; 7740.63,589.99 cw(c7740.64,619.99) 7741.02,589.99 ; 7740.63,1788.14 cw(c7740.64,1818.14) 7741.02,1788.14 ; 7740.84,1388.15 cw(c7740.84,1418.15) 7741.23,1388.16 ; 13,486 13,8706 322,8706 389,8773 389,8861 8438,8861 8502,8797 8502,7915 8235,7915 8207,7887 8207,7447 8233,7421 8501,7421 8501,5646 8403,5548 8403,5137 8190,4924 8190,4318 8135,4263 7974,4263 7944,4233 7944,3044 7958,3030 8086,3030 8100,3044 8100,3618 8152,3670 8236,3670 8341,3565 8503,3565 8503,399 8468,364 7749,364 7699,314 746,314 574,486 13,486
  lines w100: 793.31,551.28 793.31,5815.31 881.16,5903.16 1090.16,5903.16 ; 3331,5903 4234.56,5903 4327.76,5809.8 4327.76,5407.48 4327.76,4406 7505,4406 7505,2876 7675,2706 8197,2706 ; 1167,4544 1167,5380 1299,5512 3919,5512 3968,5463 3968,4406 1305,4406 1167,4544

## Text inside footprints (layer, text, board x,y; h text height)
C95: Top Overlay "+" at 1574,6701 h78.74 r180
DCNCF1: Top Overlay "21" at 8182.09,1532.48 h50 r270; Top Overlay "11" at 8147.48,2552.95 h50 r270; Top Overlay "32" at 8181.1,432.09 h50 r270; Top Overlay "c" at 8234.09,3605.51 h50 r270; Top Overlay "b" at 8334.09,3605.51 h50 r270; Top Overlay "a" at 8434.09,3605.51 h50 r270; Top Overlay "1" at 8147.48,3528.35 h50 r270
DCNCP1: Top Overlay "21" at 8188,6995 h50 r270; Top Overlay "11" at 8147.48,7802.95 h50 r270; Top Overlay "32" at 8213,5628 h50 r270; Top Overlay "c" at 8234.09,8855.51 h50 r270; Top Overlay "b" at 8334.09,8855.51 h50 r270; Top Overlay "a" at 8434.09,8855.51 h50 r270; Top Overlay "1" at 8188,8778 h50 r270; Mechanical 1 "PCB Edge" at 8682.13,9048.03 h50 r270
J1: Mechanical 15 "9U PCB Edge" at -10,4191 h50 r90; Mechanical 15 "Light Guide Edge" at -211.33,4186.94 h50 r90
J2: Mechanical 15 "9U PCB Edge" at -10,3956 h50 r90; Mechanical 15 "Light Guide Edge" at -211.33,3951.94 h50 r90
J3: Mechanical 15 "9U PCB Edge" at -10,3722 h50 r90; Mechanical 15 "Light Guide Edge" at -211.33,3717.94 h50 r90
J4: Mechanical 15 "9U PCB Edge" at -10,3487 h50 r90; Mechanical 15 "Light Guide Edge" at -211.33,3482.94 h50 r90
J5: Mechanical 15 "9U PCB Edge" at -10,3252 h50 r90; Mechanical 15 "Light Guide Edge" at -211.33,3247.94 h50 r90
J6: Mechanical 15 "9U PCB Edge" at -10,3018 h50 r90; Mechanical 15 "Light Guide Edge" at -211.33,3013.94 h50 r90
J7: Mechanical 15 "9U PCB Edge" at -10,2783 h50 r90; Mechanical 15 "Light Guide Edge" at -211.33,2778.94 h50 r90
J8: Mechanical 15 "9U PCB Edge" at -10,2548 h50 r90; Mechanical 15 "Light Guide Edge" at -211.33,2543.94 h50 r90
J_1: Mechanical 15 "9U PCB Edge" at -11,7988.45 h50 r90; Mechanical 15 "Light Guide Edge" at -212.33,7984.39 h50 r90
J_2: Mechanical 15 "9U PCB Edge" at -10,7794.45 h50 r90; Mechanical 15 "Light Guide Edge" at -211.33,7790.39 h50 r90
J_3: Mechanical 15 "9U PCB Edge" at -10,7599.45 h50 r90; Mechanical 15 "Light Guide Edge" at -211.33,7595.39 h50 r90
PCB1: Top Layer "1" at 8409,4050.37 h50 r90; Mid-Layer 1 "3" at 8410,4263 h50 r90; Bottom Layer "4" at 8409,4365 h50 r90; Mid-Layer 2 "2" at 8409,4138.95 h50 r90
U20: Top Overlay "1" at 3104,8013 h50; Top Overlay "A" at 2960,7860.27 h50; Top Overlay "P" at 2970,7607 h50; Top Overlay "14" at 3355,8013 h50